# KiCad board pinstripe.kicad_pcb (continued)
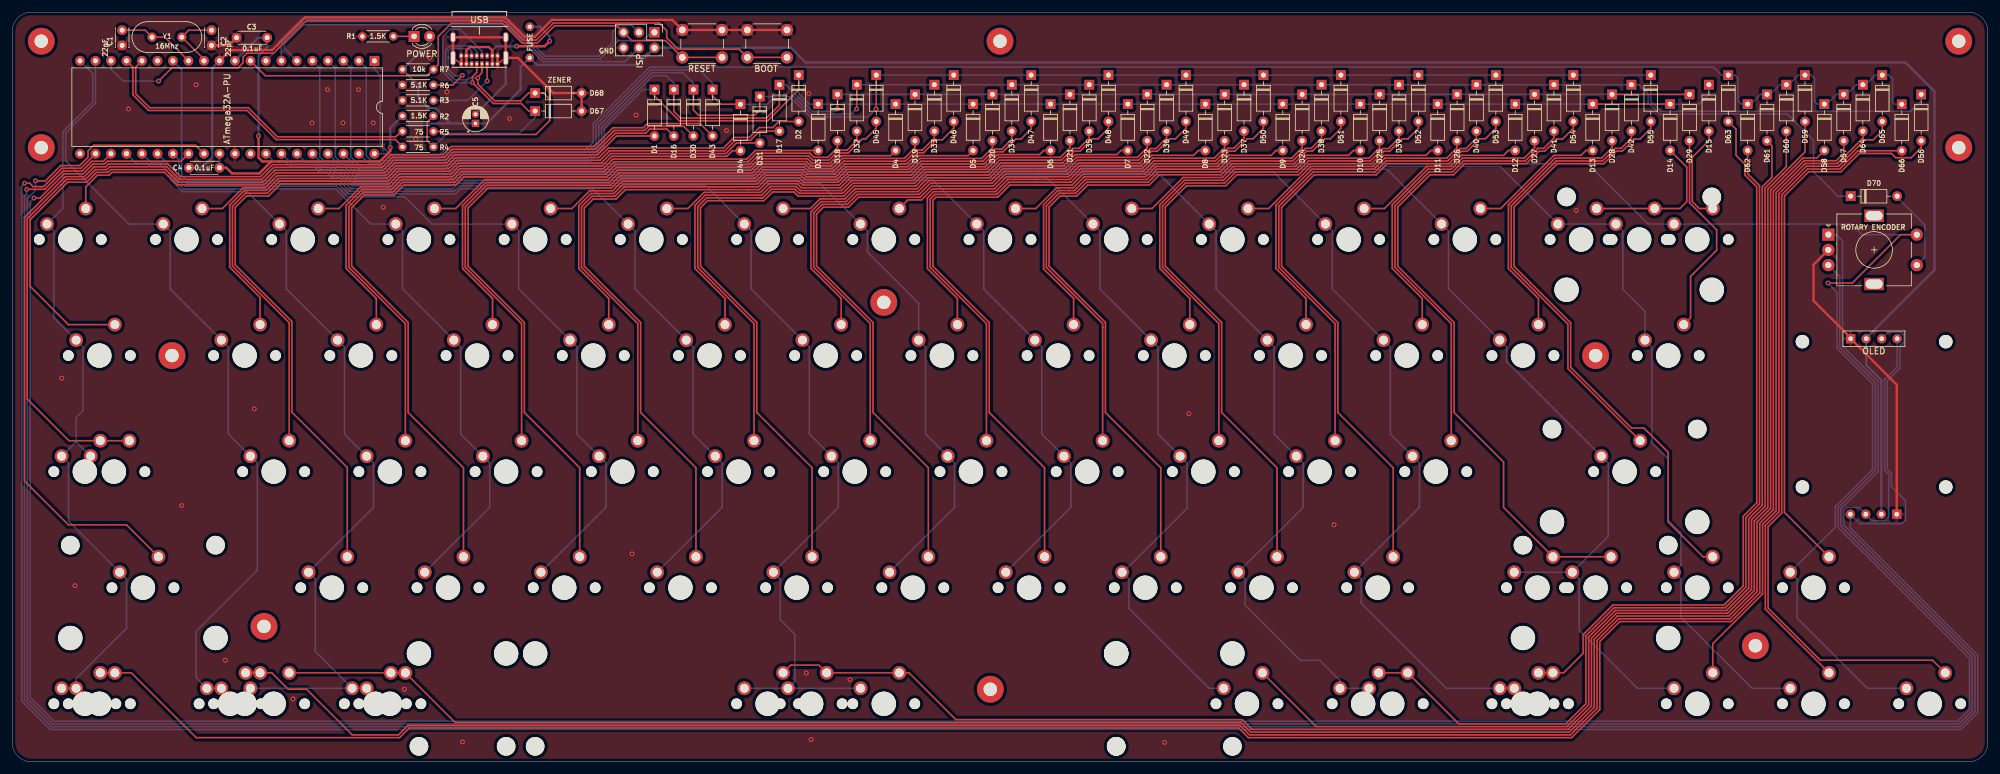
[diagram p0: board, top side]
## Routing (per net, layer and track width the routed paths; a pad name or vN(x,y) marks a point on that pad's centre or on a via; arc(x,y) is an arc through that point) (continued)
Net-(D65-Pad2): length 106.6
  Top w0.254: D65.2 306.55,103.57 305.05,102.08 303.72,102.08 299.39,97.75 294.11,97.75 289.6,93.24 289.6,41.01 287.38,38.79 287.38,25.04 MX_DOWN1.2
Net-(D66-Pad2): length 124.9
  Top w0.254: MX_RIGHT1.2 314.8,16.67 296.39,16.67 287.84,25.23 287.84,38.6 290.06,40.82 290.06,93.06 294.29,97.29 299.57,97.29 302.58,100.3 D66.2
Net-(D67-Pad1): length 61.8
  Top w0.254: R2.2 68.03,104.99 68.03,101.96 R4.2 ; D67.1 84.67,106.81 83.43,108.05 78.87,108.05 v1(75.44,111.47) 75.44,112.42 76.16,113.14 USB.A7
  Bottom w0.254: R4.2 71.31,103.19 83.16,103.19 85.73,105.75 D67.1 ; v1(75.44,111.47) 72.36,111.47 70.57,113.28 70.57,118.99 70.64,119.06 71.76,120.24 73.39,120.24 77,116.63 USB.B7
Net-(D68-Pad1): length 58.1
  Top w0.254: 77.01,113.46 USB.A6 77.01,113.17 v1(76.33,112.24) 76.33,111.23 79.06,108.5 83.39,108.5 84.65,109.76 D68.1 87.09,109.76 88.11,108.74 88.11,105.22 85.85,102.97 70.55,102.97 70.05,103.47 R5.2
  Bottom w0.254: USB.B6 76.15,116.63 75.27,117.51 71.75,117.51 71.02,116.79 71.02,113.47 72.55,111.94 74.7,111.94 75,112.24 v1(76.33,112.24)
Net-(D69-Pad1): length 3.4
  Top w0.254: R1.1 POWER.1
Net-(D71-Pad2): length 13.9
  Bottom w0.254: 308.77,92.87 313.54,88.1 313.54,82.85 ROTARY ENCODER.S1
Net-(R3-Pad2): length 13.9
  Top w0.254: 77.85,111.86 v1(77.85,111.73) USB.A5 77.86,113.76
  Bottom w0.254: v1(77.85,111.73) 74.68,108.55 R3.2
Net-(R6-Pad2): length 16
  Top w0.254: R6.2 72.21,111.09 v1(73.79,112.67)
  Bottom w0.254: USB.B5 75.3,116.63 74.87,117.06 71.93,117.06 71.48,116.6 71.48,113.66 72.52,112.62 73.74,112.62 v1(73.79,112.67)

## Copper pours and planes (outline as drawn; the poured copper is in the pictures)
GND on Top: 323.85,0 0,0 0,123.03 323.85,123.03
GND on Bottom: 323.85,0 0,0 0,123.03 323.85,123.03

## Text on the board
B.Mask: Designed by Noah L / github.com/null-ll/pinstripe
B.Silkscreen: STEPPED | 1.25u | 1.5u | NORMAL | 1u | 7u | 6.25u | SPLIT RSHIFT | SPLIT BKSP
F.Silkscreen: ZENER | GND
